# Altium PCB ESP32_MAIN.PcbDoc (part 1 of 2) (continued)
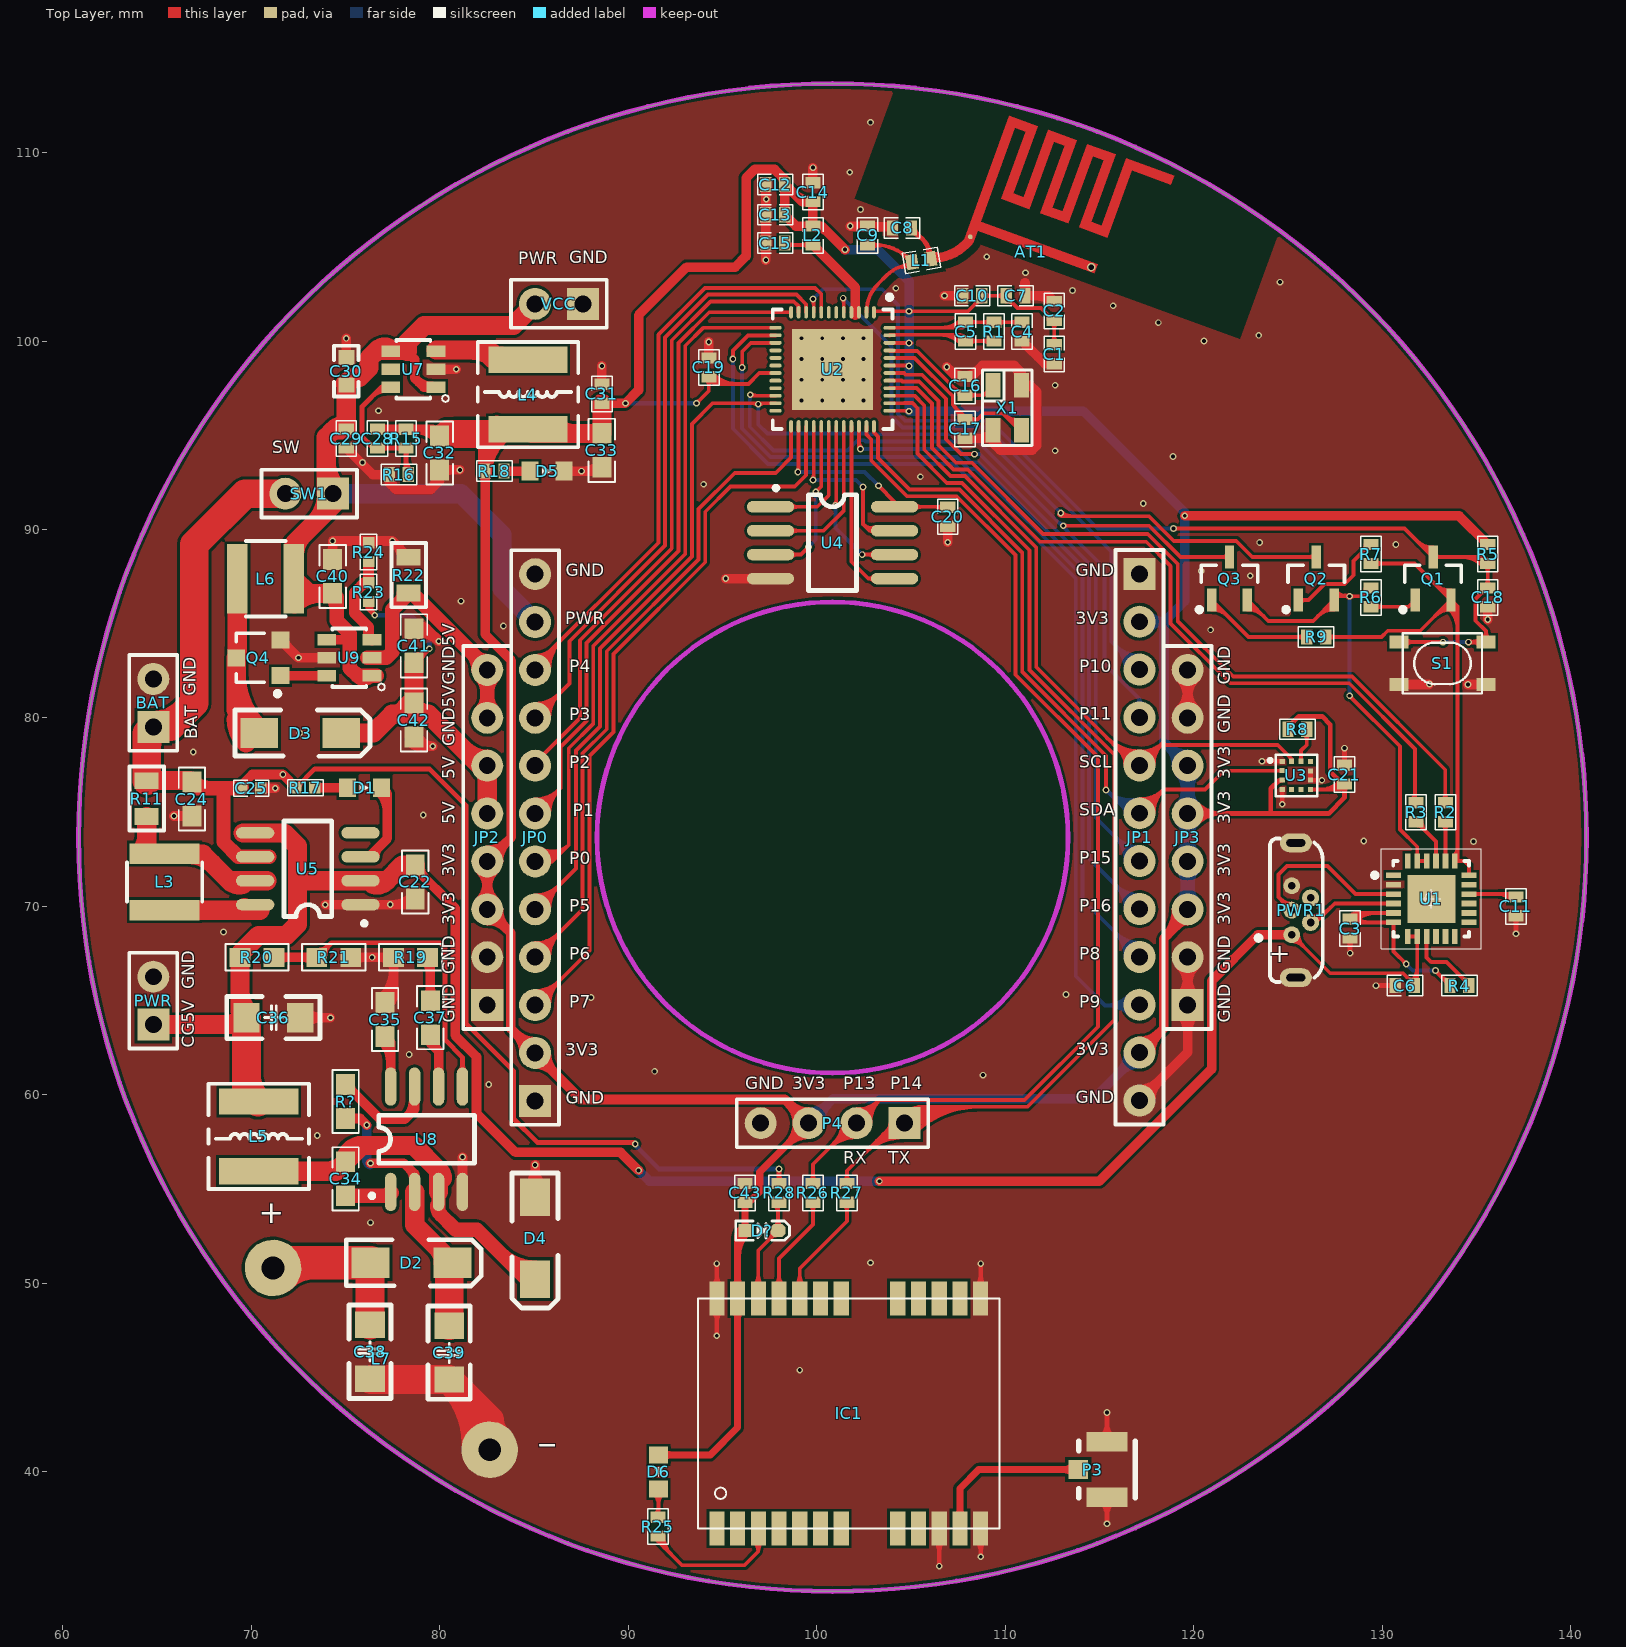
[diagram p0: Top Layer view]
## Part data (continued)
BAT P4 PWR SW1 VCC: "接插件"
C1 C2 C3 C4 C5 C6 C7 C8 C9 C10 C11 C12 C13 C14 C15 C16 C17 C18 C19 C20 C21: library part CAP_4, "Capacitor"
C22 C24 C40 C41 C42: library part CAP, "贴片电容 10% 50V"
C25 C28 C30: library part CAP, "Capacitor"
C29 C31 C32 C33: library part "0805 22uF (226) 20% 25V", "贴片电容"
C34 C35 C36 C37 C38 C39: library part CAP_5, "NPO贴片电容"
C43: library part "0603 1uF (105) 10% 50V", "贴片电容"
D1 D5 D6: library part LED-SMD, "贴片LED"
D2 D4 D?: library part Diode_1, "通用二极管"
D3: library part Diode, "通用二极管"
IC1: "北斗GPS"
JP0 JP1: library part "Header 12", "12P接插件"
JP2 JP3: "Header, 8-Pin"
L3 L6: library part INDUCT, "Inductor"
L4: library part Inductor_1, "功率电感"
L5: library part Inductor_1_1, "功率电感"
L7: "功率电感"
P3: library part IPEX, "RF Coaxial PCB Connector, MCX; Thru-Hole, Right-Angle Mount Socket, Blunt Post Terminal, 50 Ohm Impedance"
PWR1: "微型USB母座"
Q1 Q2 Q3: library part 8050-SMD, "高频放大-NPN型"
Q4: library part MOSFET-N, "N-Channel MOSFET"
R1 R8 R25 R26 R27 R28: library part RES_1, "Resistor"
R2 R3 R4 R5 R6 R7 R9: library part RES
R11 R15 R16 R22 R23 R24: library part Res1, "贴片电阻"
R17 R18: library part "0603 1KΩ (1001) 1%", "贴片电阻"
R19 R20 R21 R?: library part RES, "贴片电阻 1%"
S1: "微动开关"
U3: "加速传感器"
U4: library part GD25LQXX, "SPI FLASH"
U5: "2A电源管理"
U7: library part LN3408, "1.8-5.5V降压800mA"
U8: "无线充电接收2A"
U9: "升压限流芯片"
X1: library part XTAL, "24M无源晶振（10ppm）"

## Via types
v1: diameter 0.356, hole 0.203, Top Layer to Bottom Layer, 130 vias
v2: diameter 0.5, hole 0.2, Top Layer to Bottom Layer, 16 vias

## Nets (pads, with @x,y where several pads share a name; then routed paths per layer and width w, separated by ;. In a path a pad name is that pad's centre, name@x,y a point inside that pad or via, vN(x,y) a via of type N, cw(c..) or ccw(c..) an arc to the next point about the centre after c; other vN are vias at no path point)
3V3: C1.1 C2.2 C7.2 C10.1 C12.1 C13.2 C14.1 C19.2 C21.1 C28.2 C31.2 C32.2 C33.2 C43.2 D6.1 D?.1 IC1.23 JP0.2 JP1.2 JP1.11 JP2.3 JP2.4 JP3.3 JP3.4 JP3.5 JP3.6 L2.1 L4.2 P4.3 R5.1 R8.1 R15.1 R18.1 U2.1 U2.19 U2.37 U2.43 U2.46 U3.3 U3.7 | length 339.4
  Top Layer w0.203: v1(93.625,96.7) 94.275,97.35 C19.2@94.275,98.1 94.65,97.725 ; v1@93.625,96.776 ccw(c93.625,96.96) 93.755,96.83 ccw(c93.885,96.7) v1@93.701,96.7 ; C19.2@94.135,97.96 cw(c93.796,97.621) 94.275,97.621 cw(c94.754,97.621) C19.2@94.415,97.96 ; C19.2@94.228,97.953 ccw(c94.778,98.503) 94.778,97.725 ; C19.2@94.372,98.097 ccw(c95.269,98.994) 95.269,97.725 ; C19.2@94.375,97.902 cw(c94.375,97.664) C19.2@94.543,97.832 ; C19.2@94.515,98.24 ccw(c95.759,99.484) 95.759,97.725 ; C19.2@94.566,98.046 ccw(c94.882,97.957) 94.65,97.725 ; U2.19@97.813,98.3 96.95,98.3 96.375,97.725 94.65,97.725 ; U2.1@103.038,101.525 103.092,101.579 108.025,101.579 108.75,102.305 C10.1@108.75,102.4 C7.2@110.05,102.4 110.05,102.341 110.645,101.746 111.895,101.746 112.541,101.1 C2.2@112.6,101.1 C1.1@112.6,99.8 ; U2.37@103.863,96.3 104.8,96.3 104.825,96.275 v1(104.9,96.275) ; U2.43@103.863,98.7 v1@104.9,98.7 ; U2.46@103.863,99.9 v1@105.025,99.9 ; 104.656,96.3 cw(c104.656,96.031) v1@104.846,96.221 ; 104.656,98.7 cw(c104.656,98.431) v1@104.846,98.621 ; v1@104.846,99.846 ccw(c104.716,99.716) 104.716,99.9 ccw(c104.716,100.084) v1@104.846,99.954 ; v1@104.846,101.526 ccw(c104.716,101.395) 104.716,101.579 ccw(c104.716,101.763) v1@104.846,101.633 ; v1@104.954,101.526 cw(c105.084,101.395) 105.084,101.579 cw(c105.084,101.763) v1@104.954,101.633 ; 108.403,101.958 cw(c108.75,101.611) C10.1@108.75,102.102 ; 108.415,101.97 ccw(c108.084,102.3) C10.1@108.552,102.3 ; C10.1@108.89,102.26 cw(c109.229,101.921) 109.229,102.4 cw(c109.229,102.879) C10.1@108.89,102.54 ; C7.2@109.91,102.26 ccw(c109.571,101.921) 109.571,102.4 ccw(c109.571,102.879) C7.2@109.91,102.54 ; C7.2@110.05,102.102 cw(c110.05,101.524) 110.458,101.932 ; C7.2@110.248,102.3 ccw(c110.629,102.3) 110.36,102.031 ; 112.132,101.508 cw(c111.724,101.1) C2.2@112.302,101.1 ; 112.231,101.41 ccw(c112.5,101.679) C2.2@112.5,101.298 ; C1.1@112.46,99.94 ccw(c112.121,100.279) 112.6,100.279 ccw(c113.079,100.279) C1.1@112.74,99.94 ; C2.2@112.46,100.96 cw(c112.121,100.621) 112.6,100.621 cw(c113.079,100.621) C2.2@112.74,100.96 ; U3.7@126.2,76.2 127.7,76.2 C21.1@128,76.5 ; 126.697,76.2 ccw(c126.697,77.703) C21.1@127.76,76.64 ; 127.187,76.2 ccw(c127.187,77.213) C21.1@127.903,76.497 ; 127.678,76.2 ccw(c127.678,76.722) C21.1@128.047,76.353
  Top Layer w0.254: JP3.5@119.681,74.93 127.155,74.93 128,75.775 C21.1@128,76.5 127.905,76.5 127.25,77.155 127.25,79.65 126.821,80.079 125.584,80.079 125,79.495 R8.1@125,79.4 ; JP3.5@120.013,74.598 cw(c120.813,73.798) 120.813,74.93 cw(c120.813,76.062) JP3.5@120.013,75.262 ; JP3.5@120.192,74.419 cw(c121.426,73.185) 121.426,74.93 cw(c121.426,76.675) JP3.5@120.192,75.441 ; 124.092,74.93 124.092,76.259 124.535,76.702 U3.3@124.7,76.702 ; 124.412,76.579 cw(c124.695,76.296) U3.3@124.695,76.696 ; R8.1@125,79.673 ccw(c125,80.102) 125.304,79.799 ; R8.1@125.173,79.5 cw(c125.579,79.5) R8.1@125.292,79.787 ; 127.601,76.804 cw(c127.298,76.5) C21.1@127.727,76.5 ; C21.1@127.613,76.792 ccw(c127.9,77.079) C21.1@127.9,76.673 ; C21.1@127.878,76.378 cw(c127.582,76.082) 128,76.082 cw(c128.418,76.082) C21.1@128.122,76.378
  Top Layer w0.381: D6.1@91.6,40.9 94.35,40.9 95.8,42.35 IC1.23@95.8,49.2 95.8,52.45 96.2,52.85 C43.2@96.2,54.3 96.4,54.3 96.975,54.875 96.975,55.907 P4.3@99.568,58.5 ; D6.1@91.833,40.717 cw(c92.276,40.274) 92.276,40.9 cw(c92.276,41.526) D6.1@91.833,41.083 ; IC1.23@95.653,48.552 cw(c95.299,48.197) 95.8,48.197 ; IC1.23@95.653,49.848 ccw(c95.299,50.203) 95.8,50.203 ; 95.8,48.191 cw(c96.31,48.191) IC1.23@95.949,48.552 ; 95.8,50.209 ccw(c96.31,50.209) IC1.23@95.949,49.848 ; 95.8,51.449 cw(c97.551,51.449) D?.1@96.313,52.687 ; 95.8,52.369 cw(c96.631,52.369) D?.1@96.043,52.957 ; 95.842,52.492 cw(c96.2,52.135) D?.1@96.2,52.641 ; D?.1@96.087,52.913 ccw(c95.815,53.185) 96.2,53.185 ccw(c96.585,53.185) D?.1@96.313,52.913 ; C43.2@96.3,54.409 ccw(c96.3,54.915) 96.658,54.558 ; P4.3@98.909,58.5 cw(c97.316,58.5) 98.442,57.374 cw(c99.568,56.248) P4.3@99.568,57.841
  Top Layer w0.508: C28.2@76.691,95.321 79.631,95.321 C32.2@79.993,94.959 80.899,94.959 ; 78.646,95.321 cw(c78.646,93.662) C32.2@79.819,94.835 ; C32.2@80.167,94.785 cw(c80.587,94.365) 80.587,94.959 cw(c80.587,95.553) C32.2@80.167,95.133 ; JP2.3@82.098,70.271 ccw(c81.08,71.289) 82.519,71.289 ccw(c83.958,71.289) JP2.3@82.94,70.271 ; JP2.4@82.098,71.969 cw(c81.08,70.951) 82.519,70.951 cw(c83.958,70.951) JP2.4@82.94,71.969 ; R18.1@82.403,93.097 82.403,84.443 83.803,83.043 83.803,73.674 JP2.4@82.519,72.39 JP2.3@82.519,69.85 83.775,68.594 83.775,63.514 JP0.2@85.059,62.23 85.059,62.191 87.494,59.756 98.312,59.756 P4.3@99.568,58.5 ; JP2.3@82.519,69.254 cw(c82.519,67.815) 83.536,68.833 cw(c84.554,69.85) JP2.3@83.115,69.85 ; JP2.4@82.519,72.986 ccw(c82.519,74.425) 83.536,73.407 ccw(c84.554,72.39) JP2.4@83.115,72.39 ; JP0.2@84.463,62.23 ccw(c83.024,62.23) 84.042,63.247 ccw(c85.059,64.265) JP0.2@85.059,62.826 ; JP0.2@85.059,61.634 cw(c85.059,60.289) 86.01,61.24 ; JP0.2@85.655,62.23 ccw(c87.188,62.23) 86.104,61.146 ; C31.2@88.6,96.7 v1(89.85,96.7) 90.55,97.4 90.55,101.375 93.1,103.925 95.675,103.925 96.25,104.5 96.25,108.65 96.706,109.106 97.768,109.106 98.3,108.575 C12.1@98.3,108.3 ; 98.098,108.777 cw(c97.721,108.4) C12.1@98.254,108.4 ; C12.1@98.3,108.154 cw(c98.3,107.741) C12.1@98.592,108.033 ; 98.811,107.814 ccw(c99.7,108.704) C14.1@99.7,107.446 ; P4.3@98.972,58.5 ccw(c97.533,58.5) 98.551,59.517 ccw(c99.568,60.535) P4.3@99.568,59.096 ; L2.1@99.9,106.054 cw(c99.9,105.098) 100.576,105.774 ; v1(101.5,104.85) 100.25,106.1 L2.1@99.8,106.1 ; JP1.11@117.125,62.245 118.411,63.531 118.411,68.286 119.681,69.556 JP3.3@119.681,69.85 ; JP1.11@117.125,62.841 ccw(c117.125,64.28) 118.142,63.262 ccw(c119.16,62.245) JP1.11@117.721,62.245 ; 118.456,68.331 ccw(c116.936,69.85) JP3.3@119.085,69.85 ; 119.165,69.04 cw(c119.681,68.525) JP3.3@119.681,69.254 ; v1(119.525,90.725) 134.075,90.725 R5.1@135.6,89.2 ; C12.1@98.3,108.3 C13.2@98.3,106.7 98.9,106.1 L2.1@99.8,106.1 ; C12.1@98.3,108.3 98.325,108.3 99.225,107.4 C14.1@99.8,107.4 L2.1@99.8,106.1
  Top Layer w0.762: R18.1@82.403,92.929 cw(c85.052,92.929) L4.2@83.471,95.055 ; R18.1@82.403,93.097 82.403,94.959 ; 82.403,94.446 cw(c83.925,94.446) L4.2@83.017,95.666
  Top Layer w1.016: C32.2@79.987,95.015 cw(c80.703,94.299) 80.703,95.311 ; C32.2@79.993,94.959 80.345,95.311 L4.2@84.681,95.311 84.892,95.1 C33.2@88.6,95.1 C31.2@88.6,96.7 ; L4.2@86.217,95.447 ccw(c87.054,96.284) 87.054,95.1
  Top Layer w1.27: 80.899,94.959 82.403,94.959 ccw(c82.403,96.027) L4.2@83.231,95.352 ; 82.274,94.959 ccw(c82.274,96.318) L4.2@83.235,95.357
  Bottom Layer w0.254: v1(89.85,96.7) v1(93.625,96.7)
  Bottom Layer w0.508: P4.3@99.568,58.5 100.868,59.8 114.68,59.8 JP1.11@117.125,62.245 ; P4.3@99.568,59.096 ccw(c99.568,60.535) 100.585,59.517 ccw(c101.603,58.5) P4.3@100.164,58.5 ; v1(101.5,104.85) 103.225,104.85 104.9,103.175 v1(104.9,101.579) v1(104.9,99.9) v1(104.9,98.675) ; v1@104.9,98.55 v1(104.9,96.275) 114.15,96.275 119.525,90.9 v1@119.525,90.675 ; JP1.11@116.529,62.245 cw(c115.09,62.245) 116.108,61.228 cw(c117.125,60.21) JP1.11@117.125,61.649 ; JP1.2@117.125,85.105 118.425,85.105 ; JP1.2@117.577,84.716 cw(c118.425,83.986) 118.425,85.105 ; JP1.2@117.577,85.494 ccw(c118.425,86.224) 118.425,85.105 ; JP3.6@119.085,77.47 ccw(c117.646,77.47) 118.664,78.487 ccw(c119.681,79.505) JP3.6@119.681,78.066 ; v1(119.525,90.725) v1@119.525,90.675 ; JP3.6@119.681,77.47 118.425,78.726 118.425,85.105 ; 118.425,85.105 119.525,86.205 v1@119.525,90.675
  Bottom Layer w0.762: JP3.3@119.349,70.182 ccw(c118.549,70.982) 119.681,70.982 ccw(c120.813,70.982) JP3.3@120.013,70.182 ; JP3.4@119.349,72.058 cw(c118.549,71.258) 119.681,71.258 cw(c120.813,71.258) JP3.4@120.013,72.058 ; JP3.4@119.349,72.722 ccw(c118.549,73.522) 119.681,73.522 ccw(c120.813,73.522) JP3.4@120.013,72.722 ; JP3.5@119.349,74.598 cw(c118.549,73.798) 119.681,73.798 cw(c120.813,73.798) JP3.5@120.013,74.598 ; JP3.5@119.349,75.262 ccw(c118.549,76.062) 119.681,76.062 ccw(c120.813,76.062) JP3.5@120.013,75.262 ; JP3.6@119.349,77.138 cw(c118.549,76.338) 119.681,76.338 cw(c120.813,76.338) JP3.6@120.013,77.138 ; JP3.3@119.681,69.85 JP3.4@119.681,72.39 JP3.5@119.681,74.93 JP3.6@119.681,77.47
5V: C41.1 C42.1 D3.2 JP2.5 JP2.6 R23.1 | length 32.2
  Top Layer w0.254: R23.1@76.107,86.049 cw(c75.849,85.775) 76.225,85.775 ; R23.1@76.148,86.2 ccw(c76.575,86.06) 76.257,85.743 ; R23.1@76.225,86.175 76.225,85.775 ; R23.1@76.343,86.049 ccw(c76.601,85.775) 76.225,85.775 ; R23.1@76.389,86.121 ccw(c77.016,85.916) v1(76.55,85.45) 76.225,85.775 ; C41.1@78.633,82.928 78.703,82.928 v1(79.45,83.675) cw(c78.667,84.458) C41.1@78.642,83.351 ; C41.1@79.006,82.978 cw(c79.617,82.978) 79.185,83.41
  Top Layer w1.016: D3.2@74.775,79.2 76.471,79.2 77.473,80.201 ; C42.1@78.626,80.738 ccw(c79.407,81.038) 79.407,80.201 ; C41.1@78.633,82.928 C42.1@78.633,80.791 ; C42.1@78.639,80.736 cw(c77.473,81.742) 77.473,80.201 ; 81.285,78.323 ccw(c82.519,79.558) JP2.6@82.519,77.812 ; JP2.6@82.138,77.47 79.407,80.201 ; JP2.5@82.519,74.93 JP2.6@82.519,77.47 ; 77.473,80.201 77.859,80.201 ; 77.859,80.201 ccw(c77.859,81.038) 78.64,80.738 cw(c77.859,81.038) 77.859,80.201 ; 77.859,80.201 78.043,80.201 ; 77.859,80.201 78.449,80.791 C42.1@78.633,80.791 ; 78.043,80.201 ccw(c78.043,80.802) 78.641,80.74 cw(c78.043,80.802) 78.043,80.201 ; 78.043,80.201 C42.1@78.633,80.791 ; 78.043,80.201 79.407,80.201
  Bottom Layer w0.254: v1(76.55,85.45) 78.458,85.45 79.45,84.458 v1(79.45,83.675)
BAT: BAT.1 C24.2 C25.2 R11.2 R17.1 R28.2 SW1.2 U5.6 | length 84.6
  Top Layer w0.254: R17.1@72.375,76.3 73.375,77.3 79.45,77.3 81.39,75.36 81.39,63.804 83.93,61.264 83.93,58.724 85.17,57.483 90.292,57.483 v1(90.375,57.4) ; R17.1@72.375,76.473 ccw(c72.375,76.891) 72.67,76.595 ccw(c72.966,76.3) R17.1@72.548,76.3 ; 90.051,57.483 cw(c90.051,57.076) v1@90.339,57.364 ; R28.2@97.878,55.422 ccw(c97.582,55.718) 98,55.718 ccw(c98.418,55.718) R28.2@98.122,55.422 ; R28.2@98,55.3 v1(98,56.075)
  Top Layer w0.508: C25.2@69.5,76.275 69.5,76.45 70.05,77 v1(71.675,77) R17.1@72.375,76.3 ; C25.2@69.546,76.275 cw(c70.079,76.275) 69.702,76.652
  Top Layer w0.762: C24.2@66.85,76.6 67.175,76.275 68.525,76.275 ; C24.2@66.934,76.634 ccw(c67.801,77.501) 67.801,76.275 ; C25.2@69.5,76.275 68.525,76.275 ; U5.6@70.95,72.635 69.315,72.635 68.525,73.425 68.525,76.275
  Top Layer w1.016: R11.2@64.45,76.675 66.775,76.675 C24.2@66.85,76.6
  Top Layer w1.524: R11.2@64.45,76.675 64.45,79.18 BAT.1@64.8,79.53 65.705,79.53 66.975,80.8 66.975,89.205 69.67,91.9 SW1.2@71.805,91.9 ; 64.45,78.473 cw(c65.857,78.473) BAT.1@64.862,79.468 ; BAT.1@64.8,79.618 ccw(c64.8,82.015) 66.495,80.32
  Bottom Layer w0.254: v1(90.375,57.4) 90.404,57.371 90.404,57.296 91.625,56.075 v1(98,56.075) ; v1@90.426,57.4 ccw(c90.73,57.4) 90.515,57.185
CHIP_EN: C18.2 Q1.3 R5.2 S1.1 U2.9 | length 68.7
  Top Layer w0.203: v1@99.746,102.171 cw(c99.524,101.949) 99.838,101.949 ; v1(99.8,102.225) 99.838,102.187 U2.9@99.838,101.525 ; v1(118.931,90.054) 131.189,90.054 Q1.3@132.7,88.543 135.257,88.543 ; v1@118.985,90.001 cw(c119.115,89.87) 119.115,90.054 cw(c119.115,90.238) v1@118.985,90.108 ; S1.1@130.9,84.025 v1(133.225,84.025) ; S1.1@131.226,83.849 cw(c131.65,83.425) 131.65,84.025 cw(c131.65,84.625) S1.1@131.226,84.201 ; 131.849,89.394 ccw(c132.7,90.245) Q1.3@132.7,89.041 ; 132.196,89.047 ccw(c132.7,89.551) Q1.3@132.7,88.838 ; Q1.3@132.543,88.7 ccw(c132.7,88.857) Q1.3@132.7,88.635 ; Q1.3@132.805,88.438 cw(c133.058,88.185) 133.058,88.543 cw(c133.058,88.901) Q1.3@132.805,88.648 ; v1@133.171,83.971 ccw(c133.041,83.841) 133.041,84.025 ccw(c133.041,84.209) v1@133.171,84.079 ; 134.193,88.543 cw(c134.193,86.893) R5.2@135.36,88.06 ; v1(134.575,84.025) S1.1@135.5,84.025 135.5,84.607 ; v1@134.613,83.959 cw(c134.783,83.666) 134.87,83.993 ; v1@134.613,84.091 ccw(c134.783,84.384) 134.87,84.057 ; v1@134.629,83.971 cw(c134.759,83.841) 134.759,84.025 cw(c134.759,84.209) v1@134.629,84.079 ; 134.683,88.543 cw(c134.683,87.383) R5.2@135.503,88.203 ; 135.132,86.492 ccw(c134.724,86.9) C18.2@135.302,86.9 ; 135.174,88.543 cw(c135.174,87.874) R5.2@135.647,88.347 ; S1.1@135.174,83.849 ccw(c134.75,83.425) 134.75,84.025 ccw(c134.75,84.625) S1.1@135.174,84.201 ; 135.231,86.59 cw(c135.5,86.321) C18.2@135.5,86.702 ; R5.2@135.315,88.271 ccw(c135.077,88.363) 135.257,88.543 ; S1.1@135.328,84.204 ccw(c134.943,84.607) 135.5,84.607 ; R5.2@135.332,88.468 ccw(c135.5,88.636) R5.2@135.5,88.398 ; C18.2@135.46,87.04 ccw(c135.121,87.379) 135.6,87.379 ccw(c136.079,87.379) C18.2@135.74,87.04 ; R5.2@135.46,88.06 cw(c135.121,87.721) 135.6,87.721 cw(c136.079,87.721) R5.2@135.74,88.06 ; S1.1@135.672,84.204 cw(c136.057,84.607) 135.5,84.607 ; 135.257,88.543 R5.2@135.6,88.2 C18.2@135.6,86.9 135.541,86.9 134.946,86.305 134.946,85.161 135.5,84.607
  Bottom Layer w0.203: v1(99.8,102.225) 100.325,102.75 103.475,102.75 104.317,101.908 104.317,96.14 104.69,95.767 109.197,95.767 114.909,90.054 v1(118.931,90.054) ; v1@99.8,102.301 ccw(c99.8,102.485) 99.93,102.355 ccw(c100.06,102.225) v1@99.876,102.225 ; v1@118.877,90.001 ccw(c118.747,89.87) 118.747,90.054 ccw(c118.747,90.238) v1@118.877,90.108 ; v1(133.225,84.025) v1(134.575,84.025) ; v1@133.279,83.971 cw(c133.409,83.841) 133.409,84.025 cw(c133.409,84.209) v1@133.279,84.079 ; v1@134.521,83.971 ccw(c134.391,83.841) 134.391,84.025 ccw(c134.391,84.209) v1@134.521,84.079
CHRG: D1.2 U5.3 | length 6.5
  Top Layer w0.508: U5.3@75.794,72.635 76.241,72.635 77.216,73.61 77.216,75.984 D1.2@76.9,76.3 ; U5.3@76.556,72.635 cw(c77.317,72.635) 76.779,73.173 ; D1.2@76.761,76.111 cw(c75.663,75.013) 77.216,75.013
F_CLK: U2.31 U4.6 | length 11
  Top Layer w0.203: v1@100.946,91.329 ccw(c100.724,91.551) 101.038,91.551 ; v1(101,91.275) 101.038,91.313 U2.31@101.038,95.475 ; v1(102.41,88.665) U4.6@104.132,88.665 ; v1@102.464,88.611 cw(c102.594,88.481) 102.594,88.665 cw(c102.594,88.849) v1@102.464,88.719 ; U4.6@103.043,88.521 ccw(c102.696,88.174) 102.696,88.665 ccw(c102.696,89.156) U4.6@103.043,88.809
  Bottom Layer w0.203: v1@100.946,91.221 cw(c100.816,91.091) 101,91.091 cw(c101.184,91.091) v1@101.054,91.221 ; v1(101,91.275) 101,90.075 v1(102.41,88.665) ; v1@102.334,88.665 ccw(c102.15,88.665) 102.28,88.795 ccw(c102.41,88.925) v1@102.41,88.741
F_CS: U2.30 U4.1 | length 7.8
  Top Layer w0.203: U4.1@97.544,91.205 100.03,91.205 100.638,91.813 U2.30@100.638,95.475 ; U4.1@98.633,91.061 cw(c98.98,90.714) 98.98,91.205 cw(c98.98,91.696) U4.1@98.633,91.349
F_D0: U2.33 U4.5 | length 10.5
  Top Layer w0.203: U2.33@101.838,95.475 101.838,88.287 102.73,87.395 ; U4.5@103.036,87.259 ccw(c102.73,86.983) 102.73,87.395 ; U4.5@103.036,87.531 cw(c102.73,87.807) 102.73,87.395 ; U4.5@104.132,87.395 102.73,87.395
F_D1: U2.32 U4.2 | length 9.6
  Top Layer w0.203: U4.2@97.544,89.935 100.36,89.935 101.438,91.013 U2.32@101.438,95.475 ; U4.2@98.633,89.791 cw(c98.98,89.444) 98.98,89.935 cw(c98.98,90.426) U4.2@98.633,90.079
F_D2: U2.29 U4.3 | length 10.8
  Top Layer w0.203: U4.3@97.544,88.665 99.158,88.665 v1(99.568,89.075) ; U4.3@98.633,88.521 cw(c98.98,88.174) 98.98,88.665 cw(c98.98,89.156) U4.3@98.633,88.809 ; v1@99.492,89.075 cw(c99.308,89.075) 99.438,88.945 cw(c99.568,88.815) v1@99.568,88.999 ; v1(99.95,92) 100.238,92.288 U2.29@100.238,95.475 ; v1@99.95,92.076 ccw(c99.95,92.26) 100.08,92.13 ccw(c100.21,92) v1@100.026,92
  Bottom Layer w0.203: v1(99.568,89.075) 99.95,89.457 v1(99.95,92) ; v1@99.568,89.151 ccw(c99.568,89.335) 99.698,89.205 ccw(c99.828,89.075) v1@99.644,89.075 ; v1@99.896,91.946 cw(c99.766,91.816) 99.95,91.816 cw(c100.134,91.816) v1@100.004,91.946
F_D3: U2.28 U4.7 | length 12.4
  Top Layer w0.203: v1@99.746,92.679 ccw(c99.524,92.901) 99.838,92.901 ; v1(99.8,92.625) 99.838,92.663 U2.28@99.838,95.475 ; v1@102.396,92.196 cw(c102.266,92.066) 102.45,92.066 cw(c102.634,92.066) v1@102.504,92.196 ; v1(102.45,92.25) 102.45,90.275 ; 102.676,90.049 ccw(c103.021,90.394) U4.7@103.187,89.935 ; U4.7@103.022,89.816 ccw(c102.79,89.649) 102.79,89.935 ; U4.7@103.022,90.054 cw(c102.79,90.221) 102.79,89.935 ; U4.7@103.118,90.126 cw(c102.901,90.726) 102.45,90.275 ; U4.7@104.132,89.935 102.79,89.935 ; 102.45,90.275 102.79,89.935
  Bottom Layer w0.203: v1(99.8,92.625) 102.075,92.625 v1(102.45,92.25) ; v1@99.854,92.571 cw(c99.984,92.441) 99.984,92.625 cw(c99.984,92.809) v1@99.854,92.679 ; v1@102.374,92.25 ccw(c102.19,92.25) 102.32,92.38 ccw(c102.45,92.51) v1@102.45,92.326
GND: AT1.2 BAT.2 C1.2 C2.1 C3.2 C4.2 C6.2 C7.1 C8.1 C9.1 C10.2 C11.1 C12.2 C13.1 C14.2 C15.1 C16.2 C17.2 C18.1 C19.1 C20.2 C21.2 C22.1 C24.1 C25.1 C29.1 C30.1 C31.1 C32.1 C33.1 C35.1 C36.1 C38.2 C39.1 C40.2 C41.2 C42.2 C43.1 D4.1 D5.2 IC1.10 IC1.12 IC1.13 IC1.24 JP0.1 JP0.12 JP1.1 JP1.12 JP2.1 JP2.2 JP3.1 JP3.2 JP3.7 JP3.8 L7.1 P3.1 P3.3 P4.4 PWR1.5 PWR.2 Q4.S R16.2 R19.2 R21.1 R22.2 R24.1 S1.2 U1.2 U2.49 U3.1 U3.4 U3.8 U3.9 U4.4 U5.1 U7.2 U8.4 U9.5 VCC.1 X1.2 X1.4 | length 172.9
  Top Layer w0.254: IC1.24@94.508,48.507 cw(c94.045,48.044) 94.7,48.044 ; IC1.24@94.508,49.893 ccw(c94.045,50.356) 94.7,50.356 ; v1(94.7,47.225) IC1.24@94.7,49.2 v1(94.7,51.05) ; 94.7,48.038 cw(c95.363,48.038) IC1.24@94.894,48.507 ; 94.7,50.362 ccw(c95.363,50.362) IC1.24@94.894,49.893 ; IC1.10@106.308,36.307 cw(c105.845,35.844) 106.5,35.844 ; v1(106.5,35) IC1.10@106.5,37 ; 106.5,35.838 cw(c107.163,35.838) IC1.10@106.694,36.307 ; IC1.12@108.508,36.307 cw(c108.045,35.844) 108.7,35.844 ; IC1.13@108.508,49.893 ccw(c108.045,50.356) 108.7,50.356 ; v1(108.7,35.5) IC1.12@108.7,37 ; 108.7,35.838 cw(c109.363,35.838) IC1.12@108.894,36.307 ; IC1.13@108.7,49.2 v1(108.7,51.05) ; 108.7,50.362 ccw(c109.363,50.362) IC1.13@108.894,49.893 ; P3.3@115.119,38.369 cw(c114.439,37.689) 115.4,37.689 cw(c116.361,37.689) P3.3@115.681,38.369 ; P3.1@115.119,41.881 ccw(c114.439,42.561) 115.4,42.561 ccw(c116.361,42.561) P3.1@115.681,41.881 ; v1(115.4,37.25) P3.3@115.4,38.65 ; P3.1@115.4,41.6 v1(115.4,43.15) ; v1(123.625,77.7) U3.1@124.7,77.702 U3.1@124.7,77.702 ; v1(124.7,75.425) U3.4@124.7,76.202 ; U3.9@126.2,77.2 U3.8@126.2,76.7 v1(126.8,76.7) ; C21.2@127.878,77.622 ccw(c127.582,77.918) 128,77.918 ccw(c128.418,77.918) C21.2@128.122,77.622 ; C21.2@128,77.5 v1(128,78.4) ; C3.2@128.178,68.203 cw(c127.882,67.907) 128.3,67.907 cw(c128.718,67.907) C3.2@128.422,68.203 ; v1(128.3,67.525) C3.2@128.3,68.325 ; v1(129.675,65.8) C6.2@130.7,65.8 ; C6.2@130.578,65.678 ccw(c130.282,65.382) 130.282,65.8 ccw(c130.282,66.218) C6.2@130.578,65.922 ; C11.1@136.978,69.378 cw(c136.682,69.082) 137.1,69.082 cw(c137.518,69.082) C11.1@137.222,69.378 ; v1(137.1,68.55) C11.1@137.1,69.5
  Top Layer w0.508: v1(65.9,74.8) C24.1@66.85,74.8 ; C24.1@66.676,74.626 ccw(c66.256,74.206) 66.256,74.8 ccw(c66.256,75.394) C24.1@66.676,74.974 ; C25.1@70.5,76.275 v1(71.275,76.275) ; Q4.S@71.553,84.143 v1(72.503,83.193) U9.5@74.004,83.193 ; Q4.S@71.774,84.143 ccw(c72.308,84.143) Q4.S@71.93,83.766 ; C36.1@72.6,64.1 v1(74.2,64.1) ; C36.1@72.914,63.786 cw(c73.673,63.027) 73.673,64.1 cw(c73.673,65.173) C36.1@72.914,64.414 ; v1(73.92,70.095) U5.1@75.794,70.095 78.395,70.095 C22.1@78.7,70.4 ; C40.2@74.141,88.635 ccw(c73.721,89.055) 74.315,89.055 ccw(c74.909,89.055) C40.2@74.489,88.635 ; C40.2@74.315,88.411 v1(74.315,89.39) v1(77.485,89.39) R22.2@78.35,88.525 ; C29.1@75.04,94.321 76.445,92.916 R16.2@77.334,92.916 77.334,92.466 77.69,92.11 79.515,92.11 ; C30.1@75.04,99.13 v1(75.04,100.14) ; R21.1@75.275,67.3 R19.2@77.55,67.3 77.55,65.35 C35.1@77.1,64.9 ; R21.1@75.499,67.126 cw(c75.919,66.706) 75.919,67.3 cw(c75.919,67.894) R21.1@75.499,67.474 ; 75.897,89.39 cw(c75.897,88.972) R24.1@76.192,89.267 ; R24.1@76.258,89.267 cw(c76.553,88.972) 76.553,89.39 ; C35.1@76.926,65.124 ccw(c75.42,66.63) 77.55,66.63 ; C35.1@77.285,64.765 ccw(c76.646,65.404) C35.1@77.55,65.404 ; R19.2@77.326,67.126 ccw(c76.906,66.706) 76.906,67.3 ccw(c76.906,67.894) R19.2@77.326,67.474 ; R19.2@77.376,67.126 cw(c76.956,66.706) 77.55,66.706 cw(c78.144,66.706) R19.2@77.724,67.126 ; R16.2@77.38,92.816 ccw(c78.336,92.816) 77.66,92.14 ; v1@77.49,70.095 ccw(c77.49,71.56) C22.1@78.526,70.524 ; 77.7,89.175 cw(c77.049,88.525) R22.2@77.969,88.525 ; C42.2@78.388,78.849 ccw(c78.891,79.038) C42.2@78.891,78.5 ; C41.2@78.575,84.933 cw(c78.749,84.173) 79.301,84.725 ; C42.2@78.633,78.991 79.124,78.5 v1(79.625,78.5) cw(c79.625,79.314) C42.2@78.863,79.028 ; C41.2@78.633,84.728 79.297,84.728 v1(79.95,84.075) ccw(c78.991,83.116) C41.2@78.688,84.438 ; C41.2@78.807,84.554 cw(c79.227,84.134) 79.227,84.728 cw(c79.227,85.322) C41.2@78.807,84.902 ; C32.1@79.757,93.041 cw(c78.845,92.78) 79.515,92.11 ; U7.2@79.8,98.5 v1(80.875,98.5) ; C32.1@79.836,92.919 cw(c79.563,92.587) 79.993,92.587 ; C32.1@80.15,92.919 ccw(c80.423,92.587) 79.993,92.587 ; C32.1@80.167,92.985 cw(c80.587,92.565) 80.587,93.159 cw(c80.587,93.753) C32.1@80.167,93.333 ; v1(81.066,93.159) C32.1@79.993,93.159 79.993,92.587 ; U8.4@81.205,54.856 v1(81.205,56.705) ; D4.1@84.673,55.161 ccw(c83.741,56.093) 85.059,56.093 ccw(c86.377,56.093) D4.1@85.445,55.161 ; D4.1@85.059,54.575 v1(85.059,56.284) ; D5.2@86.597,93.097 88.397,93.097 C33.1@88.6,93.3 ; D5.2@86.736,92.958 cw(c87.07,92.624) 87.07,93.097 cw(c87.07,93.57) D5.2@86.736,93.236 ; v1@87.637,93.097 ccw(c87.637,94.213) C33.1@88.426,93.424 ; C31.1@88.6,97.7 v1(88.6,98.675) ; C19.1@94.275,99.1 v1(94.275,99.95) ; v1(95.17,87.395) U4.4@97.544,87.395 ; v1(97.3,104.3) C12.2@97.3,108.3 ; C14.2@99.8,108.4 v1(99.8,109.2) ; v1(101.775,106.1) C9.1@102.7,106.1 ; C9.1@102.746,106.054 103.971,106.054 C8.1@104.025,106 ; v1(106.775,102.4) C10.2@107.75,102.4 ; v1(106.898,98.623) 107.399,98.122 C16.2@107.872,98.122 108.208,98.122 108.791,98.705 110.47,98.705 110.857,98.318 X1.4@110.857,97.649 111.326,97.649 111.664,97.311 111.664,94.443 111.426,94.205 109.745,94.205 ; v1(106.95,89.325) C20.2@106.95,90.175 ; 107.057,98.464 ccw(c107.772,99.178) C16.2@107.772,98.168 ; C17.2@107.872,94.836 108.934,94.836 ccw(c108.934,95.132) X1.2@109.219,95.051 ; C16.2@107.972,98.168 ccw(c107.972,98.848) 108.453,98.367 ; 108.584,94.836 ccw(c108.584,95.786) X1.2@109.256,95.114 ; X1.2@109.359,95.261 109.359,94.591 109.745,94.205 ; X1.2@109.503,94.985 ccw(c110.366,94.826) 109.745,94.205 ; 110.47,98.705 cw(c109.847,98.082) X1.4@110.714,97.925 ; C4.2@110.9,100 112.1,98.8 C1.2@112.6,98.8 ; 111.05,103.1 C7.1@111.05,102.4 112.3,102.4 C2.1@112.6,102.1 ; 111.665,102.4 cw(c111.665,101.265) C2.1@112.467,102.067 ; 111.739,99.161 ccw(c112.5,99.923) C1.2@112.5,98.846 ; JP1.12@117.125,59.705 119.681,62.261 JP3.1@119.681,64.77 JP3.2@119.681,67.31 ; JP1.12@117.125,60.301 ccw(c117.125,61.74) 118.142,60.722 ccw(c119.16,59.705) JP1.12@117.721,59.705 ; JP3.1@119.26,64.349 cw(c118.242,63.331) 119.681,63.331 cw(c121.12,63.331) JP3.1@120.102,64.349 ; JP3.1@119.26,65.191 ccw(c118.242,66.209) 119.681,66.209 ccw(c121.12,66.209) JP3.1@120.102,65.191 ; JP3.2@119.26,66.889 cw(c118.242,65.871) 119.681,65.871 cw(c121.12,65.871) JP3.2@120.102,66.889 ; JP3.7@119.26,80.431 ccw(c118.242,81.449) 119.681,81.449 ccw(c121.12,81.449) JP3.7@120.102,80.431 ; JP3.8@119.26,82.129 cw(c118.242,81.111) 119.681,81.111 cw(c121.12,81.111) JP3.8@120.102,82.129 ; JP3.7@119.681,80.01 JP3.8@119.681,82.55 ; S1.2@130.9,81.775 v1@132.482,81.775 ; v1(134.55,81.775) S1.2@135.5,81.775 ; v1(135.6,85.225) C18.1@135.6,85.9 ; 79.515,92.11 79.993,92.587
  Top Layer w1.524: C38.2@76.35,44.9 C39.1@80.5,44.9 ; L7.1@81.908,41.219 ccw(c77.083,41.483) C39.1@80.5,44.9 ; L7.1@82.173,41.746 ccw(c81.333,42.755) 82.645,42.755 ; L7.1@82.645,41.179 82.645,42.755 ; L7.1@83.118,41.746 cw(c83.958,42.755) 82.645,42.755 ; C39.1@80.5,44.9 82.645,42.755
  other v1: 99.1,45.4 102.85,51.1 76.325,53.225 73.5,57.85 82.6,60.55 108.825,61.05 91.4,61.25 78.375,62.15 88.025,65.175 113.225,65.325 76.412,67.3 68.525,68.65 77.375,70.1 134.85,73.45 129.025,73.475 79.125,74.85 66.925,78.2 72.575,79.2 132.509,81.802 120.9,84.675 83.375,84.875 81.125,86.2 123,87.55 120.399,87.8 130.725,89.2 123.5,89.305 117.325,91.375 94,92.4 105.5,92.8 87.525,93.097 75.9,93.55 118.9,93.875 112.65,94.175 76.75,96.3 112.65,97.65 120.55,100 123.45,100.3 118.125,100.975 115.725,101.875 113.575,102.675 104.2,102.8 124.575,103.125 111.075,103.625 109.025,104.475 102.325,106.975 97.325,107.525 101.75,108.95 102.85,111.6
  other v2: 99.188,96.85 100.288,96.85 101.388,96.85 102.488,96.85 99.188,97.95 100.288,97.95 101.388,97.95 102.488,97.95 99.188,99.05 100.288,99.05 101.388,99.05 102.488,99.05 99.188,100.15 100.288,100.15 101.388,100.15 102.488,100.15
GND_L: JP2.7 JP2.8 R22.1 U9.2 | length 19.2
  Top Layer w0.762: U9.2@76.143,83.193 77.168,83.193 77.475,83.5 77.475,85.75 R22.1@78.35,86.625 78.54,86.625 82.519,82.646 JP2.8@82.519,82.55 JP2.7@82.519,80.01 ; R22.1@77.916,86.191 ccw(c77.483,86.625) R22.1@78.096,86.625 ; 81.65,83.515 cw(c80.685,82.55) JP2.8@82.05,82.55 ; 81.883,83.283 ccw(c82.519,83.919) JP2.8@82.519,83.019 ; JP2.7@82.187,80.342 ccw(c81.387,81.142) 82.519,81.142 ccw(c83.651,81.142) JP2.7@82.851,80.342 ; JP2.8@82.187,82.218 cw(c81.387,81.418) 82.519,81.418 cw(c83.651,81.418) JP2.8@82.851,82.218